# KiCad board Kanagawa_rgb_ansi_pico.kicad_pcb (continued)
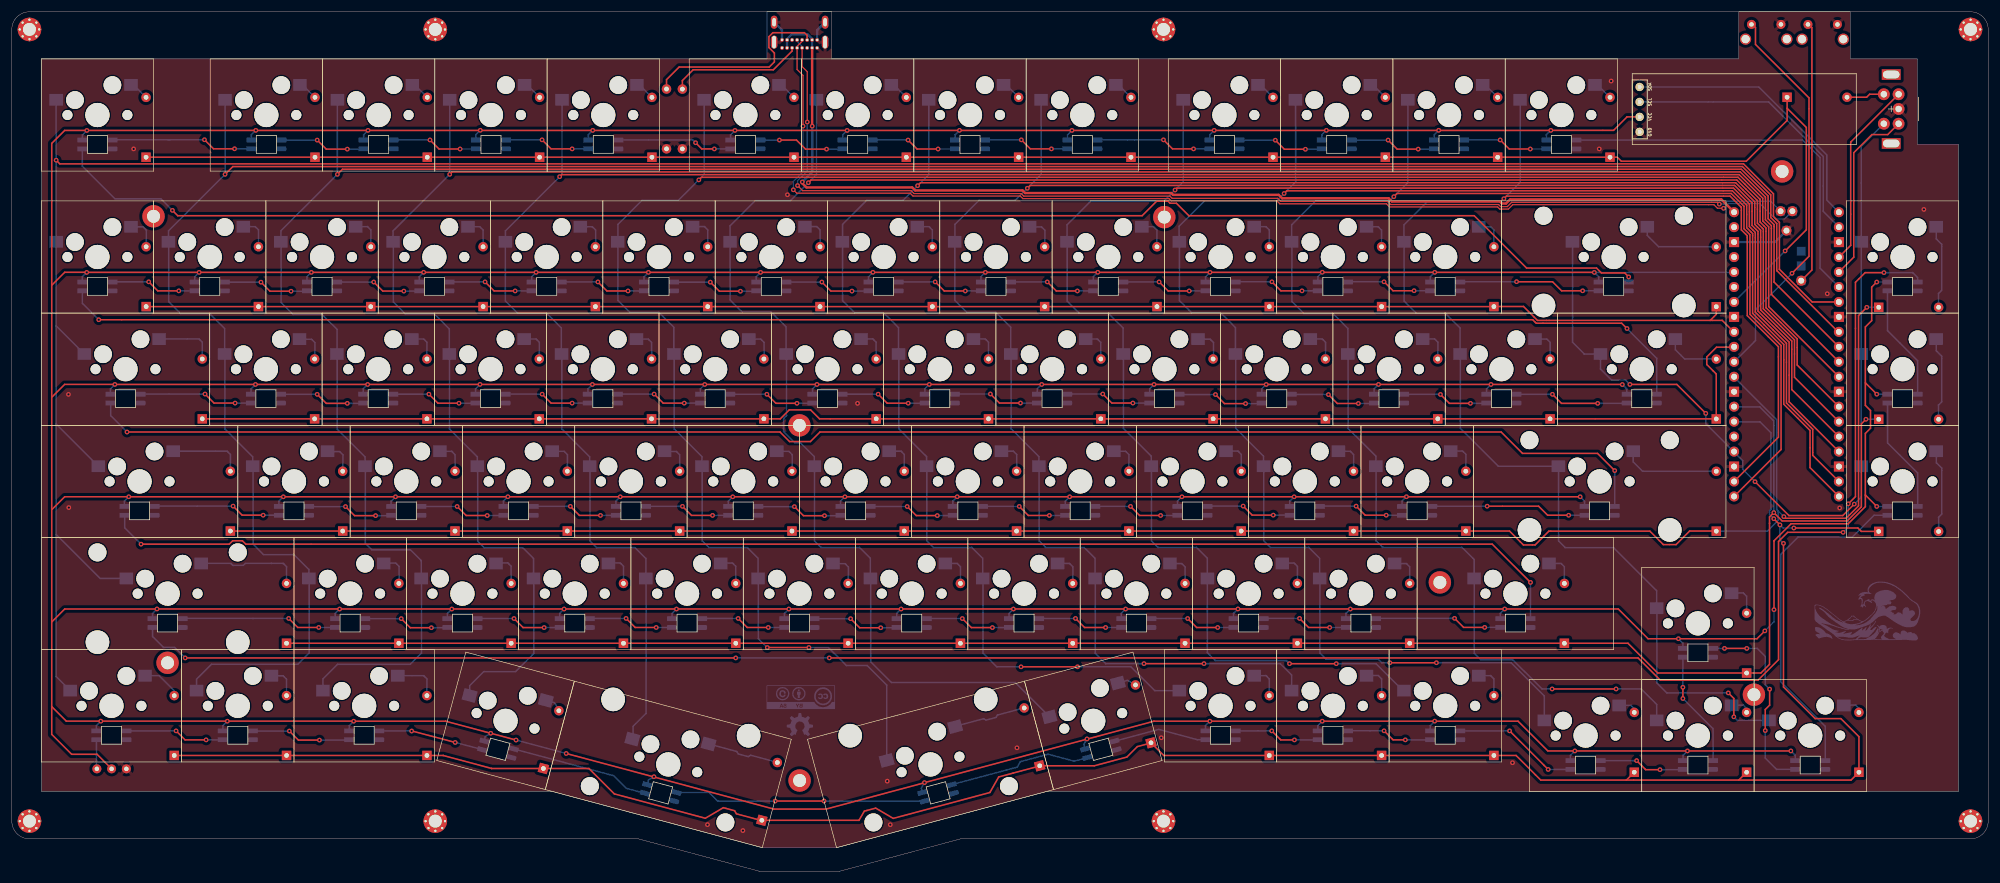
[diagram p0: board, top side]
## Nets (continued)
col07: KA7.1 KB7.1 KC7.1 KD7.1 KE7.1 KF7.1 U0.16
col08: KA8.1 KB8.1 KC8.1 KD8.1 KE8.1 KF8.1 U0.17
col09: KA9.1 KB9.1 KC9.1 KD9.1 KE9.1 KF9.1 U0.19
col10: KA10.1 KB10.1 KC10.1 KD10.1 KE10.1 KF10.1 U0.20
col11: KA11.1 KB11.1 KC11.1 KD11.1 KE11.1 KF11.1 U0.21
col12: KA12.1 KB12.1 KC12.1 KD12.1 KE12.1 KF12.1 U0.22
col13: KB13.1 KC13.1 KD13.1 KE13.1 KF13.1 SWA13.S2 U0.24
D+: JUSB1.A6 JUSB1.B6 U0.TP3
D-: JUSB1.A7 JUSB1.B7 U0.TP2
ENCA: SWA13.A U0.5
ENCB: SWA13.B U0.4
RESET: RSW0.1 U0.30
RGB_Matrix: KA12.6 U0.6
RGB_Out: J4.1 KF0.4
row00: DA0.1 DA1.1 DA2.1 DA3.1 DA4.1 DA5.1 DA6.1 DA7.1 DA8.1 DA9.1 DA10.1 DA11.1 DA12.1 DA13.1 U0.34
row01: DB0.1 DB1.1 DB2.1 DB3.1 DB4.1 DB5.1 DB6.1 DB7.1 DB8.1 DB9.1 DB10.1 DB11.1 DB12.1 DB13.1 U0.32
row02: DC0.1 DC1.1 DC2.1 DC3.1 DC4.1 DC5.1 DC6.1 DC7.1 DC8.1 DC9.1 DC10.1 DC11.1 DC12.1 DC13.1 U0.31
row03: DD0.1 DD1.1 DD2.1 DD3.1 DD4.1 DD5.1 DD6.1 DD7.1 DD8.1 DD9.1 DD10.1 DD11.1 DD12.1 DD13.1 U0.29
row04: DE0.1 DE1.1 DE2.1 DE3.1 DE4.1 DE5.1 DE6.1 DE7.1 DE8.1 DE9.1 DE10.1 DE11.1 DE12.1 DE13.1 U0.27
row05: DF0.1 DF1.1 DF2.1 DF3.1 DF4.1 DF5.1 DF6.1 DF7.1 DF8.1 DF9.1 DF10.1 DF11.1 DF12.1 DF13.1 U0.26
SCL: J1.3 U0.2
SDA: J1.4 U0.1
Net-(DA0-A): DA0.2 KA0.2
Net-(DA1-A): DA1.2 KA1.2
Net-(DA2-A): DA2.2 KA2.2
Net-(DA3-A): DA3.2 KA3.2
Net-(DA4-A): DA4.2 KA4.2
Net-(DA5-A): DA5.2 KA5.2
Net-(DA6-A): DA6.2 KA6.2
Net-(DA7-A): DA7.2 KA7.2
Net-(DA8-A): DA8.2 KA8.2
Net-(DA9-A): DA9.2 KA9.2
Net-(DA10-A): DA10.2 KA10.2
Net-(DA11-A): DA11.2 KA11.2
Net-(DA12-A): DA12.2 KA12.2
Net-(DB0-A): DB0.2 KB0.2
Net-(DB1-A): DB1.2 KB1.2
Net-(DB2-A): DB2.2 KB2.2
Net-(DB3-A): DB3.2 KB3.2
Net-(DB4-A): DB4.2 KB4.2
Net-(DB5-A): DB5.2 KB5.2
Net-(DB6-A): DB6.2 KB6.2
Net-(DB7-A): DB7.2 KB7.2
Net-(DB8-A): DB8.2 KB8.2
Net-(DB9-A): DB9.2 KB9.2
Net-(DB10-A): DB10.2 KB10.2
Net-(DB11-A): DB11.2 KB11.2
Net-(DB12-A): DB12.2 KB12.2
Net-(DB13-A): DB13.2 KB13.2
Net-(DC0-A): DC0.2 KC0.2
Net-(DC1-A): DC1.2 KC1.2
Net-(DC2-A): DC2.2 KC2.2
Net-(DC3-A): DC3.2 KC3.2
Net-(DC4-A): DC4.2 KC4.2
Net-(DC5-A): DC5.2 KC5.2
Net-(DC6-A): DC6.2 KC6.2
Net-(DC7-A): DC7.2 KC7.2
Net-(DC8-A): DC8.2 KC8.2
Net-(DC9-A): DC9.2 KC9.2
Net-(DC10-A): DC10.2 KC10.2
Net-(DC11-A): DC11.2 KC11.2
Net-(DC12-A): DC12.2 KC12.2
Net-(DC13-A): DC13.2 KC13.2
Net-(DD0-A): DD0.2 KD0.2
Net-(DD1-A): DD1.2 KD1.2
Net-(DD2-A): DD2.2 KD2.2
Net-(DD3-A): DD3.2 KD3.2
Net-(DD4-A): DD4.2 KD4.2
Net-(DD5-A): DD5.2 KD5.2
Net-(DD6-A): DD6.2 KD6.2
Net-(DD7-A): DD7.2 KD7.2
Net-(DD8-A): DD8.2 KD8.2
Net-(DD9-A): DD9.2 KD9.2
Net-(DD10-A): DD10.2 KD10.2
Net-(DD11-A): DD11.2 KD11.2
Net-(DD12-A): DD12.2 KD12.2
Net-(DD13-A): DD13.2 KD13.2
Net-(DE0-A): DE0.2 KE0.2
Net-(DE1-A): DE1.2 KE1.2
Net-(DE2-A): DE2.2 KE2.2
Net-(DE3-A): DE3.2 KE3.2
Net-(DE4-A): DE4.2 KE4.2
Net-(DE5-A): DE5.2 KE5.2
Net-(DE6-A): DE6.2 KE6.2
Net-(DE7-A): DE7.2 KE7.2
Net-(DE8-A): DE8.2 KE8.2
Net-(DE9-A): DE9.2 KE9.2
Net-(DE10-A): DE10.2 KE10.2
Net-(DE11-A): DE11.2 KE11.2
Net-(DE12-A): DE12.2 KE12.2
Net-(DE13-A): DE13.2 KE13.2
Net-(DF0-A): DF0.2 KF0.2
Net-(DF1-A): DF1.2 KF1.2
Net-(DF2-A): DF2.2 KF2.2
Net-(DF3-A): DF3.2 KF3.2
Net-(DF4-A): DF4.2 KF4.2
Net-(DF5-A): DF5.2 KF5.2
Net-(DF6-A): DF6.2 KF6.2
Net-(DF7-A): DF7.2 KF7.2
Net-(DF8-A): DF8.2 KF8.2
Net-(DF9-A): DF9.2 KF9.2
Net-(DF10-A): DF10.2 KF10.2
Net-(DF11-A): DF11.2 KF11.2
Net-(DF12-A): DF12.2 KF12.2
Net-(DF13-A): DF13.2 KF13.2
Net-(JUSB1-CC1): JUSB1.A5 R2.2
Net-(JUSB1-CC2): JUSB1.B5 R1.2

Pads without a net: JUSB1 A8 B8; MountBaseTop1 1; MountBaseTop2 1; MountBaseTop3 1; MountBaseTop4 1; MountBaseTop5 1; MountBaseTop6 1; MountBaseTop7 1; MountBaseTop8 1; MountTopMiddle1 1; MountTopMiddle2 1; MountTopMiddle3 1; MountTopMiddle4 1; MountTopMiddle5 1; MountTopMiddle6 1; MountTopMiddle7 1; MountTopMiddle8 1; RSW0 3; RSW1 3; SWA13 MP; U0 25 35 37 39 TP4 TP5

## Via types
v1: diameter 0.8, hole 0.4, Top to Bottom, 311 vias

## Routing (per net, layer and track width the routed paths; a pad name or vN(x,y) marks a point on that pad's centre or on a via; arc(x,y) is an arc through that point)
+5V: length 192.3
  Top w0.4: JUSB1.A9 135.75,126.5 v1(135.76,126.49) ; v1(134.08,117.01) 134.08,116.78 134.78,116.08 152.72,116.08 153.23,115.57 171.44,115.57 171.88,115.13 196.66,115.13 196.97,114.82 214.88,114.82 215.46,114.24 233.53,114.24 234.07,113.7 252.38,113.7 252.73,113.35 253.44,113.35 254.14,114.05 289.96,114.05 292.13,111.88
  Bottom w0.4: 135.75,139.77 135.75,141.29 ; JUSB1.A4 131.5,141.29 132.27,142.07 134.99,142.07 135.75,141.31 ; v1(135.76,126.49) 135.76,118.69 v1(134.08,117.01)
GND: length 16.8
  Bottom w0.4: JUSB1.B1 136.59,142.79 137.94,144.13 ; 129.3,144.13 130.65,142.79 JUSB1.B12 ; U0.38 299.06,106.8 U0.TP1
  vias: v1(9.61,80.95) v1(9.67,61.73) v1(20.67,122.62) v1(118,7.9) v1(124,6.9) v1(131.56,114.84) v1(143.45,79.43) v1(148.49,15.29) v1(149,7.9) v1(170.49,20.95) v1(194.97,22.66) v1(254.54,18.42) v1(269.25,122.62) v1(271.27,134.14) v1(307.93,98.03) v1(310.03,61.67) v1(324.31,112.35)
VCC: length 2034.8
  Top w0.254: 265.99,63.57 v1(19.84,63.57) 19.84,63.57 8.98,63.57 6.83,61.43 ; 6.77,27.95 9.24,25.48 v1(15.1,25.48) 58,25.48 ; 6.77,27.95 6.77,123.56 ; 6.77,27.95 6.77,23.23 10.15,19.85 14.46,19.85 J4.2 ; v1(268.42,101.65) 268.41,101.66 v1(12.71,101.66) ; v1(273.17,82.61) 273.14,82.64 v1(17.48,82.64) 17.48,82.64 8.96,82.64 6.82,80.51 ; v1(154.81,15.04) 193.72,25.47 193.72,25.47 v1(203.21,25.47) 255.48,25.47 260.53,20.42 v1(265.11,20.42) 301.74,20.42 ; v1(316.32,80.98) 314.39,82.91 ; 314.39,82.91 314.39,79.08 315.26,78.21 315.26,75.2 314.39,74.33 314.39,63.85 ; 314.39,82.91 314.39,92.4 315.46,93.47 315.46,99.16 v1(316.32,100.02) ; 12.73,101.67 8.98,101.67 6.8,99.5 ; v1(298.89,44.4) 298.89,56.09 301.79,58.99 311.48,58.99 311.48,58.99 314.39,61.9 314.39,63.85 ; v1(57.99,25.47) 73.57,25.47 73.57,25.47 81.2,23.43 ; 108.91,16 129.26,10.55 129.26,10.55 138.09,10.55 154.83,15.03 ; 314.39,63.85 314.4,63.85 v1(316.32,61.93) ; 6.77,123.56 8.97,125.76 v1(12.73,125.76) 261.03,125.76 v1(261.04,125.77) 271.68,125.77 273.97,128.06 276.1,128.06 ; v1(297.34,40.8) 296.01,39.47 v1(282.68,39.47) 277.53,39.47 272.48,44.52 v1(24.63,44.52) 24.62,44.51 8.98,44.51 6.81,42.35 ; v1(81.24,23.42) v1(85.53,22.27) ; v1(94.04,19.99) 108.94,16
  Bottom w0.254: v1(182.37,22.46) 181.84,21.54 182.07,20.67 ; v1(65.09,63.56) 64.34,62.82 64.34,61.92 ; 78.72,124.14 78.72,125.04 v1(79.47,125.78) ; v1(19.84,63.57) 19.09,62.82 19.09,61.92 ; 250.14,80.99 250.14,81.89 v1(250.89,82.63) ; 260.29,124.12 260.29,125.02 v1(261.04,125.77) ; v1(169.89,44.51) 169.14,43.76 169.14,42.86 ; 107.23,100.02 107.23,100.92 v1(107.98,101.66) ; v1(88.93,101.66) 88.18,100.92 88.18,100.02 ; v1(55.6,44.51) 54.85,43.76 54.85,42.86 ; v1(222.97,125.77) 222.22,125.03 222.22,124.13 ; 264.36,18.77 264.36,19.67 v1(265.11,20.42) ; 57.24,23.82 57.24,24.72 v1(57.99,25.47) ; 131.05,42.87 131.05,43.76 v1(131.8,44.51) ; v1(79.41,82.64) 78.66,81.9 78.66,81 ; 14.35,23.83 14.35,24.73 v1(15.1,25.48) ; v1(282.68,39.47) 283.43,38.72 283.43,37.82 ; 40.64,124.13 40.64,125.03 v1(41.39,125.77) ; 154.51,13.26 154.28,14.12 v1(154.81,15.04) ; KF13.3 316.32,61.92 v1(316.32,61.93) ; 135.82,80.99 135.82,81.89 v1(136.57,82.63) ; v1(266.02,63.56) 266.76,62.82 266.76,61.92 ; v1(122.66,125.76) 121.91,125.02 121.91,124.12 ; 83.39,61.93 83.39,62.83 v1(84.14,63.57) ; v1(160.74,125.77) 159.99,125.03 159.99,124.13 ; 226.29,42.86 226.29,43.76 v1(227.04,44.51) ; 202.48,100.03 202.48,100.93 v1(203.23,101.67) ; 183.45,100.03 183.45,100.93 v1(184.2,101.67) ; v1(74.63,44.51) 73.88,43.76 73.88,42.86 ; 140.56,61.92 140.56,62.82 v1(141.31,63.56) ; 302.5,18.77 302.5,19.67 v1(301.75,20.42) ; v1(122.28,63.56) 121.53,62.82 121.53,61.92 ; 273.91,80.97 273.91,81.87 v1(273.17,82.61) ; 188.17,42.86 188.17,43.76 v1(188.92,44.51) ; 145.31,100.03 145.31,100.93 v1(146.06,101.67) ; v1(193.74,82.63) 192.99,81.89 192.99,80.99 ; v1(93.68,44.51) 92.93,43.76 92.93,42.87 ; 45.31,61.92 45.31,62.82 v1(46.06,63.56) ; v1(41.33,82.63) 40.58,81.89 40.58,80.99 ; 107.77,14.64 108,15.51 v1(108.92,16.04) ; v1(117.54,82.63) 116.79,81.89 116.79,80.99 ; 111.99,42.87 111.99,43.76 v1(112.74,44.51) ; 292.12,101.65 v1(268.42,101.65) 269.16,100.91 269.16,100.01 ; v1(103.21,63.56) 102.46,62.82 102.46,61.92 ; 59.67,124.13 59.67,125.03 v1(60.42,125.77) ; 97.79,124.13 97.79,125.03 v1(98.54,125.77) ; v1(141.69,125.76) 140.94,125.02 140.94,124.12 ; 216.75,61.92 216.75,62.82 v1(217.5,63.56) ; v1(298.89,44.4) 298.89,42.35 v1(297.34,40.8) ; v1(231.82,82.64) 231.07,81.9 231.07,81 ; 69.11,100.03 69.11,100.93 v1(69.86,101.67) ; KE13.3 316.27,80.97 ; 212.02,80.99 212.02,81.89 v1(212.77,82.63) ; v1(12.73,125.76) 11.98,125.01 11.98,124.11 ; v1(179.43,63.56) 178.68,62.82 178.68,61.92 ; 159.61,61.93 159.61,62.83 v1(160.36,63.57) ; 240.6,100.03 240.6,100.93 v1(241.35,101.67) ; v1(253.22,44.52) 252.47,43.77 252.47,42.87 ; v1(203.21,25.47) 202.46,24.72 202.46,23.82 ; 80.09,22.02 80.32,22.89 v1(81.24,23.42) ; v1(222.28,101.68) 221.53,100.94 221.53,100.04 ; 154.87,81 154.87,81.9 v1(155.62,82.64) ; 283.46,18.77 283.46,19.67 v1(284.21,20.42) ; 203.19,124.13 203.19,125.03 v1(203.94,125.77) ; KE0.3 23.88,43.77 v1(24.63,44.52) ; 179.06,124.12 179.06,125.02 v1(179.81,125.76) ; v1(60.36,82.63) 59.61,81.89 59.61,80.99 ; v1(222.27,25.47) 221.52,24.72 221.52,23.82 ; 126.26,100.02 126.26,100.92 v1(127.01,101.66) ; 31.03,100.02 31.03,100.92 v1(31.78,101.66) ; 318.15,100.02 316.19,100.02 ; v1(242.02,125.78) 241.27,125.04 241.27,124.14 ; 207.22,42.87 207.22,43.77 v1(207.97,44.52) ; v1(236.55,63.57) 235.8,62.83 235.8,61.93 ; 11.96,100.01 11.96,100.91 v1(12.71,101.66) ; 97.73,80.99 97.73,81.89 v1(98.48,82.63) ; v1(50.81,101.66) 50.06,100.92 50.06,100.02 ; v1(198.47,63.56) 197.72,62.82 197.72,61.92 ; v1(150.84,44.51) 150.09,43.76 150.09,42.87 ; 240.59,23.83 240.59,24.73 v1(241.34,25.48) ; 173.94,80.99 173.94,81.89 v1(174.69,82.63) ; v1(85.53,22.27) v1(94.04,19.99) ; 164.38,100.02 164.38,100.92 v1(165.13,101.66) ; v1(17.48,82.64) 16.73,81.89 16.73,80.99 ; 35.81,23.82 35.81,24.72 v1(36.56,25.47)
/IN_A0: length 24.3
  Top w0.254: v1(32.68,124.17) 34.22,122.64 v1(37.78,122.64)
  Bottom w0.254: v1(37.78,122.64) 40.5,122.64 ; 26.57,124.17 v1(32.68,124.17) ; 26.75,124.17 17,124.17
/IN_A1: length 14.6
  Top w0.254: v1(51.8,124.12) 53.33,122.58 v1(56.91,122.58)
  Bottom w0.254: 45.69,124.12 v1(51.8,124.12) ; v1(56.91,122.58) 59.62,122.58
/IN_A2: length 14.6
  Top w0.254: v1(70.93,124.14) 72.47,122.6 v1(76.03,122.6)
  Bottom w0.254: 64.82,124.14 v1(70.93,124.14) ; v1(76.03,122.6) 78.75,122.6
/IN_A3: length 14.6
  Top w0.254: v1(89.94,124.16) 91.47,122.62 v1(95.04,122.62)
  Bottom w0.254: v1(95.04,122.62) 97.76,122.62 ; 83.83,124.16 v1(89.94,124.16)
/IN_A4: length 19.6
  Top w0.254: v1(115.98,123.67) 117.03,122.62 v1(119.16,122.62)
  Bottom w0.254: v1(115.98,123.67) 115.5,124.15 102.88,124.15 ; v1(119.16,122.62) 121.88,122.62
/IN_A5: length 14.6
  Top w0.254: v1(130.2,124.12) 133.09,124.12 134.62,122.58 v1(138.19,122.58)
  Bottom w0.254: 126.98,124.12 v1(130.2,124.12) ; v1(138.19,122.58) 140.91,122.58
/IN_A6: length 14.6
  Top w0.254: v1(152.02,124.12) 153.54,122.6 v1(157.11,122.6)
  Bottom w0.254: v1(152.02,124.12) 152,124.14 145.9,124.14 ; v1(157.11,122.6) 159.83,122.6
/IN_A7: length 14.6
  Top w0.254: v1(176.34,122.62) 172.76,122.62 v1(171.23,124.16)
  Bottom w0.254: 165.12,124.16 v1(171.23,124.16) ; v1(176.34,122.62) 179.06,122.62
/IN_A8: length 19.6
  Top w0.254: v1(195.34,124.16) 196.87,122.62 v1(200.44,122.62)
  Bottom w0.254: v1(195.34,124.16) 184.15,124.16 ; v1(200.44,122.62) 203.16,122.62
/IN_A9: length 14.6
  Top w0.254: v1(214.31,124.1) 215.85,122.56 v1(219.42,122.56)
  Bottom w0.254: v1(219.42,122.56) 222.13,122.56 ; 208.2,124.1 v1(214.31,124.1)
/IN_A10: length 14.6
  Top w0.254: v1(233.44,124.12) 234.98,122.58 v1(238.55,122.58)
  Bottom w0.254: v1(238.55,122.58) 241.26,122.58 ; 227.33,124.12 v1(233.44,124.12)
/IN_A11: length 14.6
  Top w0.254: v1(257.56,122.6) 253.99,122.6 v1(252.45,124.14)
  Bottom w0.254: 246.34,124.14 v1(252.45,124.14) ; v1(257.56,122.6) 260.27,122.6
/IN_B0: length 14.6
  Top w0.254: v1(28.33,98.52) 24.76,98.52 v1(23.22,100.06)
  Bottom w0.254: 17.12,100.06 v1(23.22,100.06) ; v1(28.33,98.52) 31.05,98.52
/IN_B1: length 14.6
  Top w0.254: v1(47.36,98.46) 43.8,98.46 v1(42.26,100)
  Bottom w0.254: v1(47.36,98.46) 50.08,98.46 ; 36.15,100 v1(42.26,100)
/IN_B2: length 14.6
  Top w0.254: v1(61.39,100.02) 62.92,98.48 v1(66.5,98.48)
  Bottom w0.254: v1(66.5,98.48) 69.22,98.48 ; 55.28,100.02 v1(61.39,100.02)
/IN_B3: length 14.6
  Top w0.254: v1(80.28,100.04) 81.81,98.51 v1(85.38,98.51)
  Bottom w0.254: v1(85.38,98.51) 88.1,98.51 ; 74.17,100.04 v1(80.28,100.04)
/IN_B4: length 14.6
  Top w0.254: v1(99.41,100.04) 100.94,98.5 v1(104.51,98.5)
  Bottom w0.254: v1(104.51,98.5) 107.24,98.5 ; 93.3,100.04 v1(99.41,100.04)
/IN_B5: length 14.6
  Top w0.254: v1(123.59,98.46) 120.01,98.46 v1(118.48,100)
  Bottom w0.254: v1(123.59,98.46) 126.31,98.46 ; 112.37,100 v1(118.48,100)
/IN_B6: length 14.6
  Top w0.254: v1(142.5,98.48) 138.93,98.48 v1(137.4,100.02)
  Bottom w0.254: v1(142.5,98.48) 145.22,98.48 ; 131.29,100.02 v1(137.4,100.02)
/IN_B7: length 14.6
  Top w0.254: v1(156.62,100.04) 158.16,98.5 v1(161.72,98.5)
  Bottom w0.254: v1(161.72,98.5) 164.44,98.5 ; 150.51,100.04 v1(156.62,100.04)
/IN_B8: length 14.6
  Top w0.254: v1(180.74,98.5) 177.16,98.5 v1(175.63,100.04)
  Bottom w0.254: 169.52,100.04 v1(175.63,100.04) ; v1(180.74,98.5) 183.46,98.5
/IN_B9: length 14.6
  Top w0.254: v1(194.6,100.04) 196.13,98.5 v1(199.71,98.5)
  Bottom w0.254: v1(199.71,98.5) 202.43,98.5 ; 188.49,100.04 v1(194.6,100.04)
/IN_B10: length 14.6
  Top w0.254: v1(218.83,98.52) 215.26,98.52 v1(213.73,100.06)
  Bottom w0.254: v1(218.83,98.52) 221.56,98.52 ; 207.62,100.06 v1(213.73,100.06)
/IN_B11: length 14.6
  Top w0.254: 232.74,100.08 234.27,98.54 v1(237.85,98.54)
  Bottom w0.254: v1(237.85,98.54) 240.56,98.54 ; 226.63,100.08 232.74,100.08
  vias: v1(232.75,100.06)
/IN_B12: length 24.1
  Top w0.254: v1(266.44,98.53) 262.87,98.53 261.33,100.07 255.23,100.07
  Bottom w0.254: 255.23,100.07 245.71,100.07 ; v1(266.44,98.53) 269.16,98.53
  vias: v1(255.23,100.08)
/IN_B13: length 275.9
  Top w0.254: v1(27.24,112.19) 28.15,111.28 191.72,111.28 194.19,113.75 196.11,113.75 196.46,113.39 197.54,113.39 199.65,111.28 248.04,111.28 256.93,102.39 268.79,102.39 269.62,101.56 273.58,101.56 v1(274.25,100.89)
  Bottom w0.254: 274.25,100.02 v1(274.25,100.89) ; v1(27.24,112.19) 25.28,114.14 17.51,114.14 11.98,119.67 KA0.4
/IN_C0: length 19.4
  Top w0.254: v1(32.77,81.01) 34.31,79.47 v1(37.88,79.47)
  Bottom w0.254: 21.84,81.01 v1(32.77,81.01) ; v1(37.88,79.47) 40.6,79.47
/IN_C1: length 14.6
  Top w0.254: v1(56.91,79.42) 53.33,79.42 v1(51.8,80.96)
  Bottom w0.254: v1(56.91,79.42) 59.62,79.42 ; 45.69,80.96 v1(51.8,80.96)
/IN_C2: length 14.6
  Top w0.254: v1(75.85,79.45) 72.28,79.45 v1(70.75,80.98)
  Bottom w0.254: v1(75.85,79.45) 78.57,79.45 ; 64.64,80.98 v1(70.75,80.98)
/IN_C3: length 14.6
  Top w0.254: v1(89.96,80.98) 91.47,79.46 v1(95.04,79.46)
  Bottom w0.254: v1(89.96,80.98) 89.94,81 83.83,81 ; v1(95.04,79.46) 97.76,79.46
/IN_C4: length 14.6
  Top w0.254: v1(108.95,81) 110.49,79.46 v1(114.06,79.46)
  Bottom w0.254: 102.84,81 v1(108.95,81) ; v1(114.06,79.46) 116.78,79.46
/IN_C5: length 14.6
  Top w0.254: v1(128.07,80.97) 129.6,79.43 v1(133.18,79.43)
  Bottom w0.254: v1(133.18,79.43) 135.9,79.43 ; 121.96,80.97 v1(128.07,80.97)
/IN_C6: length 14.6
  Top w0.254: v1(152.05,79.45) 148.48,79.45 v1(146.94,80.98)
  Bottom w0.254: v1(152.05,79.45) 154.77,79.45 ; 140.84,80.98 v1(146.94,80.98)
/IN_C7: length 14.6
  Top w0.254: v1(171.09,79.48) 167.52,79.48 v1(165.99,81.01)
  Bottom w0.254: v1(171.09,79.48) 173.81,79.48 ; 159.88,81.01 v1(165.99,81.01)
/IN_C8: length 14.6
  Top w0.254: v1(190.15,79.48) 186.58,79.48 v1(185.04,81.01)
  Bottom w0.254: 178.94,81.01 v1(185.04,81.01) ; v1(190.15,79.48) 192.87,79.48
/IN_C9: length 14.6
  Top w0.254: v1(204.16,80.92) 205.69,79.38 v1(209.26,79.38)
  Bottom w0.254: 198.05,80.92 v1(204.16,80.92) ; v1(209.26,79.38) 211.99,79.38
/IN_C10: length 14.6
  Top w0.254: v1(228.39,79.4) 224.82,79.4 v1(223.32,80.91)
  Bottom w0.254: v1(223.32,80.91) 223.29,80.94 217.18,80.94 ; v1(228.39,79.4) 231.12,79.4
/IN_C11: length 14.6
  Top w0.254: v1(247.4,79.42) 243.83,79.42 242.3,80.96
  Bottom w0.254: v1(247.4,79.42) 250.12,79.42 ; 236.19,80.96 242.3,80.96
  vias: v1(242.32,80.94)
/IN_C12: length 19.3
  Top w0.254: v1(261.31,80.96) 262.85,79.42 268.98,79.42
  Bottom w0.254: 255.2,80.96 v1(261.31,80.96) ; v1(268.99,79.42) 273.89,79.42
/IN_C13: length 279.1
  Top w0.254: 273.96,92.12 273.05,93.03 258.56,93.03 257.97,93.62 v1(14.75,93.62)
  Bottom w0.254: v1(14.75,93.62) 11.98,96.39 11.98,98.52 ; 273.96,92.12 279.01,87.07 279.01,80.98
  vias: v1(273.96,92.13)
/IN_D0: length 21.7
  Top w0.254: v1(42.64,60.44) 39.07,60.44 v1(37.53,61.98)
  Bottom w0.254: v1(42.64,60.44) 45.36,60.44 ; v1(37.53,61.98) 24.26,61.98
/IN_D1: length 14.6
  Top w0.254: v1(56.6,61.9) 58.14,60.36 v1(61.7,60.36)
  Bottom w0.254: v1(61.7,60.36) 64.42,60.36 ; 50.49,61.9 v1(56.6,61.9)
/IN_D2: length 14.6
  Top w0.254: v1(80.64,60.38) 77.07,60.38 v1(75.53,61.92)
  Bottom w0.254: v1(80.64,60.38) 83.36,60.38 ; 69.43,61.92 v1(75.53,61.92)
/IN_D3: length 14.6
  Top w0.254: v1(99.84,60.4) 96.28,60.4 v1(94.74,61.94)
  Bottom w0.254: 88.63,61.94 v1(94.74,61.94) ; v1(99.84,60.4) 102.56,60.4
/IN_D4: length 14.6
  Top w0.254: v1(118.85,60.4) 115.28,60.4 v1(113.75,61.94)
  Bottom w0.254: 107.64,61.94 v1(113.75,61.94) ; v1(118.85,60.4) 121.57,60.4
/IN_D5: length 14.6
  Top w0.254: v1(132.74,61.89) 134.28,60.35 v1(137.84,60.35)
  Bottom w0.254: v1(137.84,60.35) 140.56,60.35 ; 126.63,61.89 v1(132.74,61.89)
/IN_D6: length 14.6
  Top w0.254: v1(151.87,61.91) 153.41,60.37 v1(156.97,60.37)
  Bottom w0.254: v1(156.97,60.37) 159.69,60.37 ; 145.76,61.91 v1(151.87,61.91)
/IN_D7: length 14.6
  Top w0.254: v1(175.99,60.39) 172.41,60.39 v1(170.88,61.93)
  Bottom w0.254: v1(175.99,60.39) 178.71,60.39 ; 164.77,61.93 v1(170.88,61.93)
/IN_D8: length 14.6
  Top w0.254: v1(189.75,61.93) 191.28,60.39 v1(194.85,60.39)
  Bottom w0.254: v1(194.85,60.39) 197.57,60.39 ; 183.64,61.93 v1(189.75,61.93)
/IN_D9: length 14.6
  Top w0.254: v1(213.96,60.45) 210.39,60.45 v1(208.85,61.98)
  Bottom w0.254: 202.75,61.98 v1(208.85,61.98) ; v1(213.96,60.45) 216.68,60.45
/IN_D10: length 14.6
  Top w0.254: v1(228.01,61.97) 229.55,60.44 v1(233.12,60.44)
  Bottom w0.254: v1(233.12,60.44) 235.84,60.44 ; 221.91,61.97 v1(228.01,61.97)
/IN_D11: length 26.5
  Top w0.254: v1(264.07,60.43) 260.5,60.43 258.96,61.97 v1(250.24,61.97)
  Bottom w0.254: v1(264.07,60.43) 266.79,60.43 ; v1(250.24,61.97) 240.93,61.97
/IN_D12: length 268.5
  Top w0.254: v1(19.55,74.56) 130.3,74.56 131.92,72.94 135.46,72.94 137.08,74.56 252.61,74.56 256.24,70.93 268.96,70.93 v1(271.88,68.01)
  Bottom w0.254: v1(19.55,74.56) 16.77,77.33 16.77,79.46 ; v1(271.88,68.01) 271.88,61.95
/IN_D13: length 369.1
  Top w0.254: v1(138.66,36.21) 275.83,36.21 279.61,32.43 296.18,32.43 299.66,35.91 299.66,55.98 301.21,57.53 v1(310.62,57.53) ; v1(29.41,36.21) v1(122.79,36.21) ; v1(317.54,101.62) 314.35,101.62 312.71,99.98 312.71,63.59 v1(311.49,62.37)
  Bottom w0.254: KE0.4 23.88,39.84 25.72,38 27.62,38 v1(29.41,36.21) ; v1(317.54,101.62) 322.41,101.62 323.25,100.78 323.25,100.02 ; v1(311.49,62.37) 311.49,58.4 v1(310.62,57.53) ; v1(122.79,36.21) v1(138.66,36.21)
/IN_E0: length 26.6
  Top w0.254: v1(52.07,41.38) 48.5,41.38 v1(46.97,42.92)
  Bottom w0.254: v1(52.07,41.38) 54.79,41.38 ; 40.95,42.92 28.97,42.92 ; 40.86,42.92 v1(46.97,42.92)
/IN_E1: length 14.6
  Top w0.254: v1(66.06,42.87) 67.59,41.34 v1(71.16,41.34)
  Bottom w0.254: 59.95,42.87 v1(66.06,42.87) ; v1(71.16,41.34) 73.88,41.34
/IN_E2: length 14.6
  Top w0.254: v1(90.29,41.36) 86.72,41.36 v1(85.19,42.89)
  Bottom w0.254: v1(90.29,41.36) 93.01,41.36 ; 79.08,42.89 v1(85.19,42.89)
/IN_E3: length 14.6
  Top w0.254: v1(109.3,41.38) 105.73,41.38 v1(104.19,42.91)
  Bottom w0.254: 98.09,42.91 v1(104.19,42.91) ; v1(109.3,41.38) 112.02,41.38
/IN_E4: length 14.6
  Top w0.254: v1(128.31,41.38) 124.74,41.38 v1(123.21,42.91)
  Bottom w0.254: 117.1,42.91 v1(123.21,42.91) ; v1(128.31,41.38) 131.03,41.38
/IN_E5: length 14.6
  Top w0.254: v1(147.38,41.33) 143.81,41.33 v1(142.28,42.87)
  Bottom w0.254: 136.17,42.87 v1(142.28,42.87) ; v1(147.38,41.33) 150.1,41.33
/IN_E6: length 14.6
  Top w0.254: v1(166.32,41.36) 162.75,41.36 v1(161.22,42.89)
  Bottom w0.254: v1(166.32,41.36) 169.04,41.36 ; 155.11,42.89 v1(161.22,42.89)
/IN_E7: length 14.6
  Top w0.254: v1(180.42,42.91) 181.96,41.37 v1(185.53,41.37)
  Bottom w0.254: 174.31,42.91 v1(180.42,42.91) ; v1(185.53,41.37) 188.25,41.37
/IN_E8: length 14.6
  Top w0.254: v1(199.44,42.9) 200.97,41.37 v1(204.53,41.37)
  Bottom w0.254: v1(199.44,42.9) 199.43,42.91 193.32,42.91 ; v1(204.53,41.37) 207.25,41.37
/IN_E9: length 14.6
  Top w0.254: v1(223.53,41.38) 219.96,41.38 v1(218.42,42.92)
  Bottom w0.254: v1(223.53,41.38) 226.25,41.38 ; 212.31,42.92 v1(218.42,42.92)
/IN_E10: length 21.8
  Top w0.254: v1(244.71,42.93) 246.25,41.39 v1(249.82,41.39)
  Bottom w0.254: v1(244.71,42.93) 231.39,42.93 ; v1(249.82,41.39) 252.54,41.39
/IN_E11: length 251
  Top w0.254: v1(21.92,55.52) 36.88,55.52 37.46,56.1 39.11,56.1 39.69,55.52 251.1,55.52 v1(257.59,49.03)
  Bottom w0.254: 19.15,60.42 19.15,58.29 v1(21.92,55.52) ; v1(257.59,49.03) 257.59,42.89
/IN_E12: length 33.2
  Top w0.254: v1(290.5,37.82) v1(294.27,37.82) ; v1(297.41,23.88) 297.41,27.45 298.15,28.19 v1(298.15,30.91)
  Bottom w0.254: 302.5,17.29 299.33,17.29 297.41,19.21 v1(297.41,23.88) ; v1(294.27,37.82) 296.06,37.82 297.41,36.47 297.41,31.65 v1(298.15,30.91) ; KE12.6 v1(290.5,37.82)
/IN_E13: length 19.7
  Bottom w0.254: KE13.6 323.25,86.67 318.15,91.77 318.15,98.53
/IN_F0: length 16.9
  Top w0.254: v1(27.86,23.82) 29.39,22.3 v1(32.96,22.3)
  Bottom w0.254: KF0.6 v1(27.86,23.82) ; v1(32.96,22.3) 35.68,22.3
/IN_F1: length 16.9
  Top w0.254: v1(52.18,22.26) 48.61,22.26 v1(47.08,23.79)
  Bottom w0.254: v1(52.18,22.26) 57.23,22.26 ; 40.97,23.79 v1(47.08,23.79)
/IN_F2: length 18
  Top w0.254: 67.82,23.82 v1(75.2,21.86)
  Bottom w0.254: v1(75.2,21.86) 79.87,20.63 ; KF2.6 67.81,23.82
  vias: v1(67.82,23.8)
/IN_F3: length 23.9
  Bottom w0.254: 85.11,20.76 93.62,18.48 ; 104.26,14.06 107.44,13.21 ; 104.22,14.07 102.09,16.21 93.58,18.49
/IN_F4: length 42.7
  Top w0.254: v1(137.76,11.92) v1(129.49,11.92)
  Bottom w0.254: 112.71,13.37 118.27,13.37 119.72,11.92 v1(129.49,11.92) ; KF5.4 v1(137.76,11.92)
/IN_F5: length 24.4
  Bottom w0.254: 170.53,17.67 159.39,14.69 ; 180.18,18.68 175.78,19.86 ; 170.53,17.68 171.06,18.6 ; 182.44,19.29 180.18,18.68 ; 175.78,19.87 171.06,18.6
/IN_F6: length 15.9
  Bottom w0.254: 194.53,24.08 187.05,22.07 ; 201.08,22.33 194.54,24.08 ; 202.44,22.33 201.08,22.33
/IN_F7: length 14.6
  Top w0.254: v1(217.55,22.29) 215.24,22.29 v1(213.7,23.82)
  Bottom w0.254: v1(213.7,23.82) 207.6,23.82 ; v1(217.55,22.29) 221.53,22.29
/IN_F8: length 14.6
  Top w0.254: v1(232.75,23.83) 234.29,22.3 v1(236.36,22.3)
  Bottom w0.254: v1(236.36,22.3) 240.58,22.3 ; v1(232.75,23.83) 226.65,23.83
/IN_F9: length 21.4
  Top w0.254: v1(260.59,17.28) v1(254.05,23.82)
  Bottom w0.254: KF9.6 v1(254.05,23.82) ; v1(260.59,17.28) 264.4,17.28
/IN_F10: length 14.6
  Top w0.254: v1(275.6,18.77) 277.13,17.24 v1(279.55,17.24)
  Bottom w0.254: v1(279.55,17.24) 283.42,17.24 ; KF10.6 v1(275.6,18.77)
/IN_F11: length 19.7
  Top w0.254: v1(283.44,31.22) v1(283.44,29.32)
  Bottom w0.254: v1(283.44,29.32) 288.55,24.21 288.55,18.79 ; KE12.4 283.44,31.22 v1(283.44,31.22)
/IN_F12: length 59
  Bottom w0.254: KF13.4 315.88,60.42 312.17,56.72 302.97,56.72 300.01,53.76 300.01,32.18 307.59,24.6 KF12.6
/IN_F13: length 19.7
  Bottom w0.254: 323.26,61.91 323.26,67.6 318.16,72.7 318.16,79.46
/SW99B: length 6.5
  Top w0.254: SWA13.S1 315.11,131.9 314.61,131.4 DA13.2
BOOTSEL: length 44.7
  Top w0.254: U0.TP6 305.32,102.06 305.32,143.21 304.64,143.89
col00: length 452.4
  Top w0.254: U0.7 305.36,96.64 299.81,102.19 299.81,110.14 298.8,111.15 298.8,115 293.72,120.08 8.15,120.08 v1(7.52,120.7)
  Bottom w0.254: 7.52,75.91 14.67,68.76 KD0.1 ; 7.52,75.91 7.52,92.58 ; 7.52,75.91 7.52,57.17 ; 7.52,57.17 7.52,33.05 9.91,30.66 ; 7.52,57.17 14.98,49.7 KE0.1 ; 7.52,92.58 12.29,87.81 ; 7.52,92.58 7.52,106.86 7.52,106.86 v1(7.52,120.7) KA0.1
col01: length 429.2
  Top w0.254: v1(36.17,118.3) 37.5,119.63 293.53,119.63 298.35,114.81 298.35,110.96 299.36,109.95 299.36,101.98 299.36,101.97 309.77,91.56 U0.9
  Bottom w0.254: 26.58,106.84 26.58,108.71 v1(36.17,118.3) KA1.1 ; KE1.1 50.39,51.23 47.87,53.75 42.68,53.75 40.92,55.51 40.92,68.69 ; KF1.1 31.34,32.61 33.86,35.13 48.53,35.13 50.44,37.04 50.44,49.69 ; 36.1,87.71 36.1,92.12 33.56,94.66 28.64,94.66 26.61,96.69 26.61,106.75 ; KD1.1 40.86,70.34 36.14,75.06 36.14,87.71
col02: length 410.3
  Top w0.254: v1(55.22,118.3) 56.09,119.17 293.35,119.17 297.89,114.62 297.89,110.77 298.9,109.76 298.9,109.44 298.9,109.44 298.9,100.02 298.9,100.02 U0.10
  Bottom w0.254: KF2.1 52.77,32.65 55.25,35.12 67.58,35.12 69.49,37.04 ; 69.45,49.71 69.45,52.72 67.61,54.56 61.09,54.56 59.97,55.68 59.97,68.69 ; 45.65,106.81 45.65,108.73 v1(55.22,118.3) 55.22,130.95 ; 55.19,87.71 55.19,75.06 59.91,70.34 KD2.1 ; 69.49,37.04 69.49,49.69 ; 45.68,106.61 45.68,96.55 47.71,94.52 52.63,94.52 55.17,91.98 55.17,87.57
col03: length 386.9
  Top w0.254: v1(74.28,118.3) 74.68,118.71 293.16,118.71 297.44,114.44 297.44,110.59 298.45,109.58 298.45,109.11 298.45,109.11 298.45,97.94 298.44,97.93 U0.11
  Bottom w0.254: KA3.1 v1(74.28,118.3) 64.66,108.69 64.66,106.86 ; 79.02,56.04 80.14,54.92 86.66,54.92 88.47,53.11 ; 88.5,53.08 88.5,50.07 ; 79.02,56.04 79.02,68.69 ; KD3.1 78.96,70.34 74.24,75.06 74.24,87.71 ; 88.54,49.69 88.54,36.97 85.46,33.89 80.07,33.89 77.66,31.48 77.66,29.85 ; 74.21,87.64 74.21,92.06 71.67,94.6 66.75,94.6 64.72,96.63 64.72,106.68
col04: length 371
  Top w0.254: U0.12 297.99,95.85 297.99,109.39 296.98,110.4 296.98,114.25 292.98,118.26 93.28,118.26 v1(92.93,117.9)
  Bottom w0.254: 93.29,87.71 93.29,75.06 98.01,70.34 KD4.1 ; 107.55,53.09 107.55,50.08 ; 83.73,106.86 83.73,108.71 v1(92.93,117.9) 93.32,118.3 93.32,130.95 ; 105.39,22.27 105.39,24.6 107.59,26.8 107.59,49.69 ; 98.07,56.05 99.19,54.93 105.71,54.93 107.52,53.12 ; 93.21,87.81 93.21,92.23 90.67,94.77 85.75,94.77 83.72,96.8 83.72,106.85 ; 98.07,56.04 98.07,68.69
col05: length 377.3
  Top w0.254: U0.14 302.82,85.94 302.82,90.38 297.54,95.66 297.54,109.2 296.53,110.21 296.53,114.06 292.79,117.8 116.97,117.8 v1(116.53,117.37) ; v1(135.2,37.97) v1(128.14,37.97)
  Bottom w0.254: 102.81,106.88 102.81,109.8 106.89,113.88 113.04,113.88 v1(116.53,117.37) 117.44,118.27 117.44,130.92 ; 138.51,37.97 v1(135.2,37.97) ; 117.1,56.08 117.1,68.73 ; 126.55,53.15 124.74,54.96 118.22,54.96 117.1,56.08 ; 102.8,106.96 102.8,96.91 104.83,94.88 109.75,94.88 112.29,92.34 112.29,87.92 ; v1(128.14,37.97) 128.14,37.97 126.63,39.48 126.63,49.68 ; 126.58,53.12 126.58,50.11 ; KD5.1 117.06,70.38 112.35,75.09 112.35,87.74 ; 138.51,37.97 141.56,34.91 145.07,34.91 148.4,31.59 KF5.1
col06: length 361.9
  Top w0.254: v1(135.1,116.88) 135.56,117.34 292.58,117.34 296.08,113.84 296.08,110.01 297.08,109.01 297.08,95.47 302.37,90.19 302.37,83.85 U0.15
  Bottom w0.254: 136.15,56.08 137.27,54.96 143.79,54.96 145.6,53.15 ; 145.63,53.12 145.63,50.11 ; 145.68,49.68 145.68,35.56 149.21,32.03 170.2,32.03 176,26.23 ; 131.33,87.99 131.33,92.41 128.79,94.95 123.87,94.95 121.84,96.98 121.84,107.03 ; 136.49,130.92 136.49,118.27 v1(135.1,116.88) 132.07,113.85 132.07,113.83 126.09,113.83 121.83,109.57 121.83,106.86 ; 136.15,56.08 136.15,68.73 ; KD6.1 136.11,70.38 133.75,72.75 132.81,72.75 130.9,74.66 130.9,76.83 131.4,77.33 131.4,87.74
col07: length 344.7
  Top w0.254: v1(153.64,116.38) 154.14,116.88 292.39,116.88 295.62,113.65 295.62,109.82 296.63,108.81 296.63,95.29 301.91,90 301.91,81.77 U0.16 ; v1(180.76,34.7) v1(171.18,34.7)
  Bottom w0.254: v1(171.18,34.7) 167.06,34.7 164.73,37.03 164.73,49.68 ; 140.91,106.88 140.91,109.8 144.99,113.88 151.15,113.88 v1(153.64,116.38) 155.54,118.28 ; 164.65,53.15 162.84,54.96 156.32,54.96 155.2,56.08 ; KF7.1 193.87,30.65 189.82,34.7 v1(180.76,34.7) ; 155.2,56.08 155.2,68.73 ; KD7.1 155.16,70.38 150.45,75.09 150.45,87.74 ; 155.54,118.27 155.54,130.92 ; 150.4,87.85 150.4,92.27 147.86,94.81 142.94,94.81 140.91,96.84 140.91,106.89 ; 164.68,53.12 164.68,50.11
